# KiCad board gd rev3b.kicad_pcb (continued)
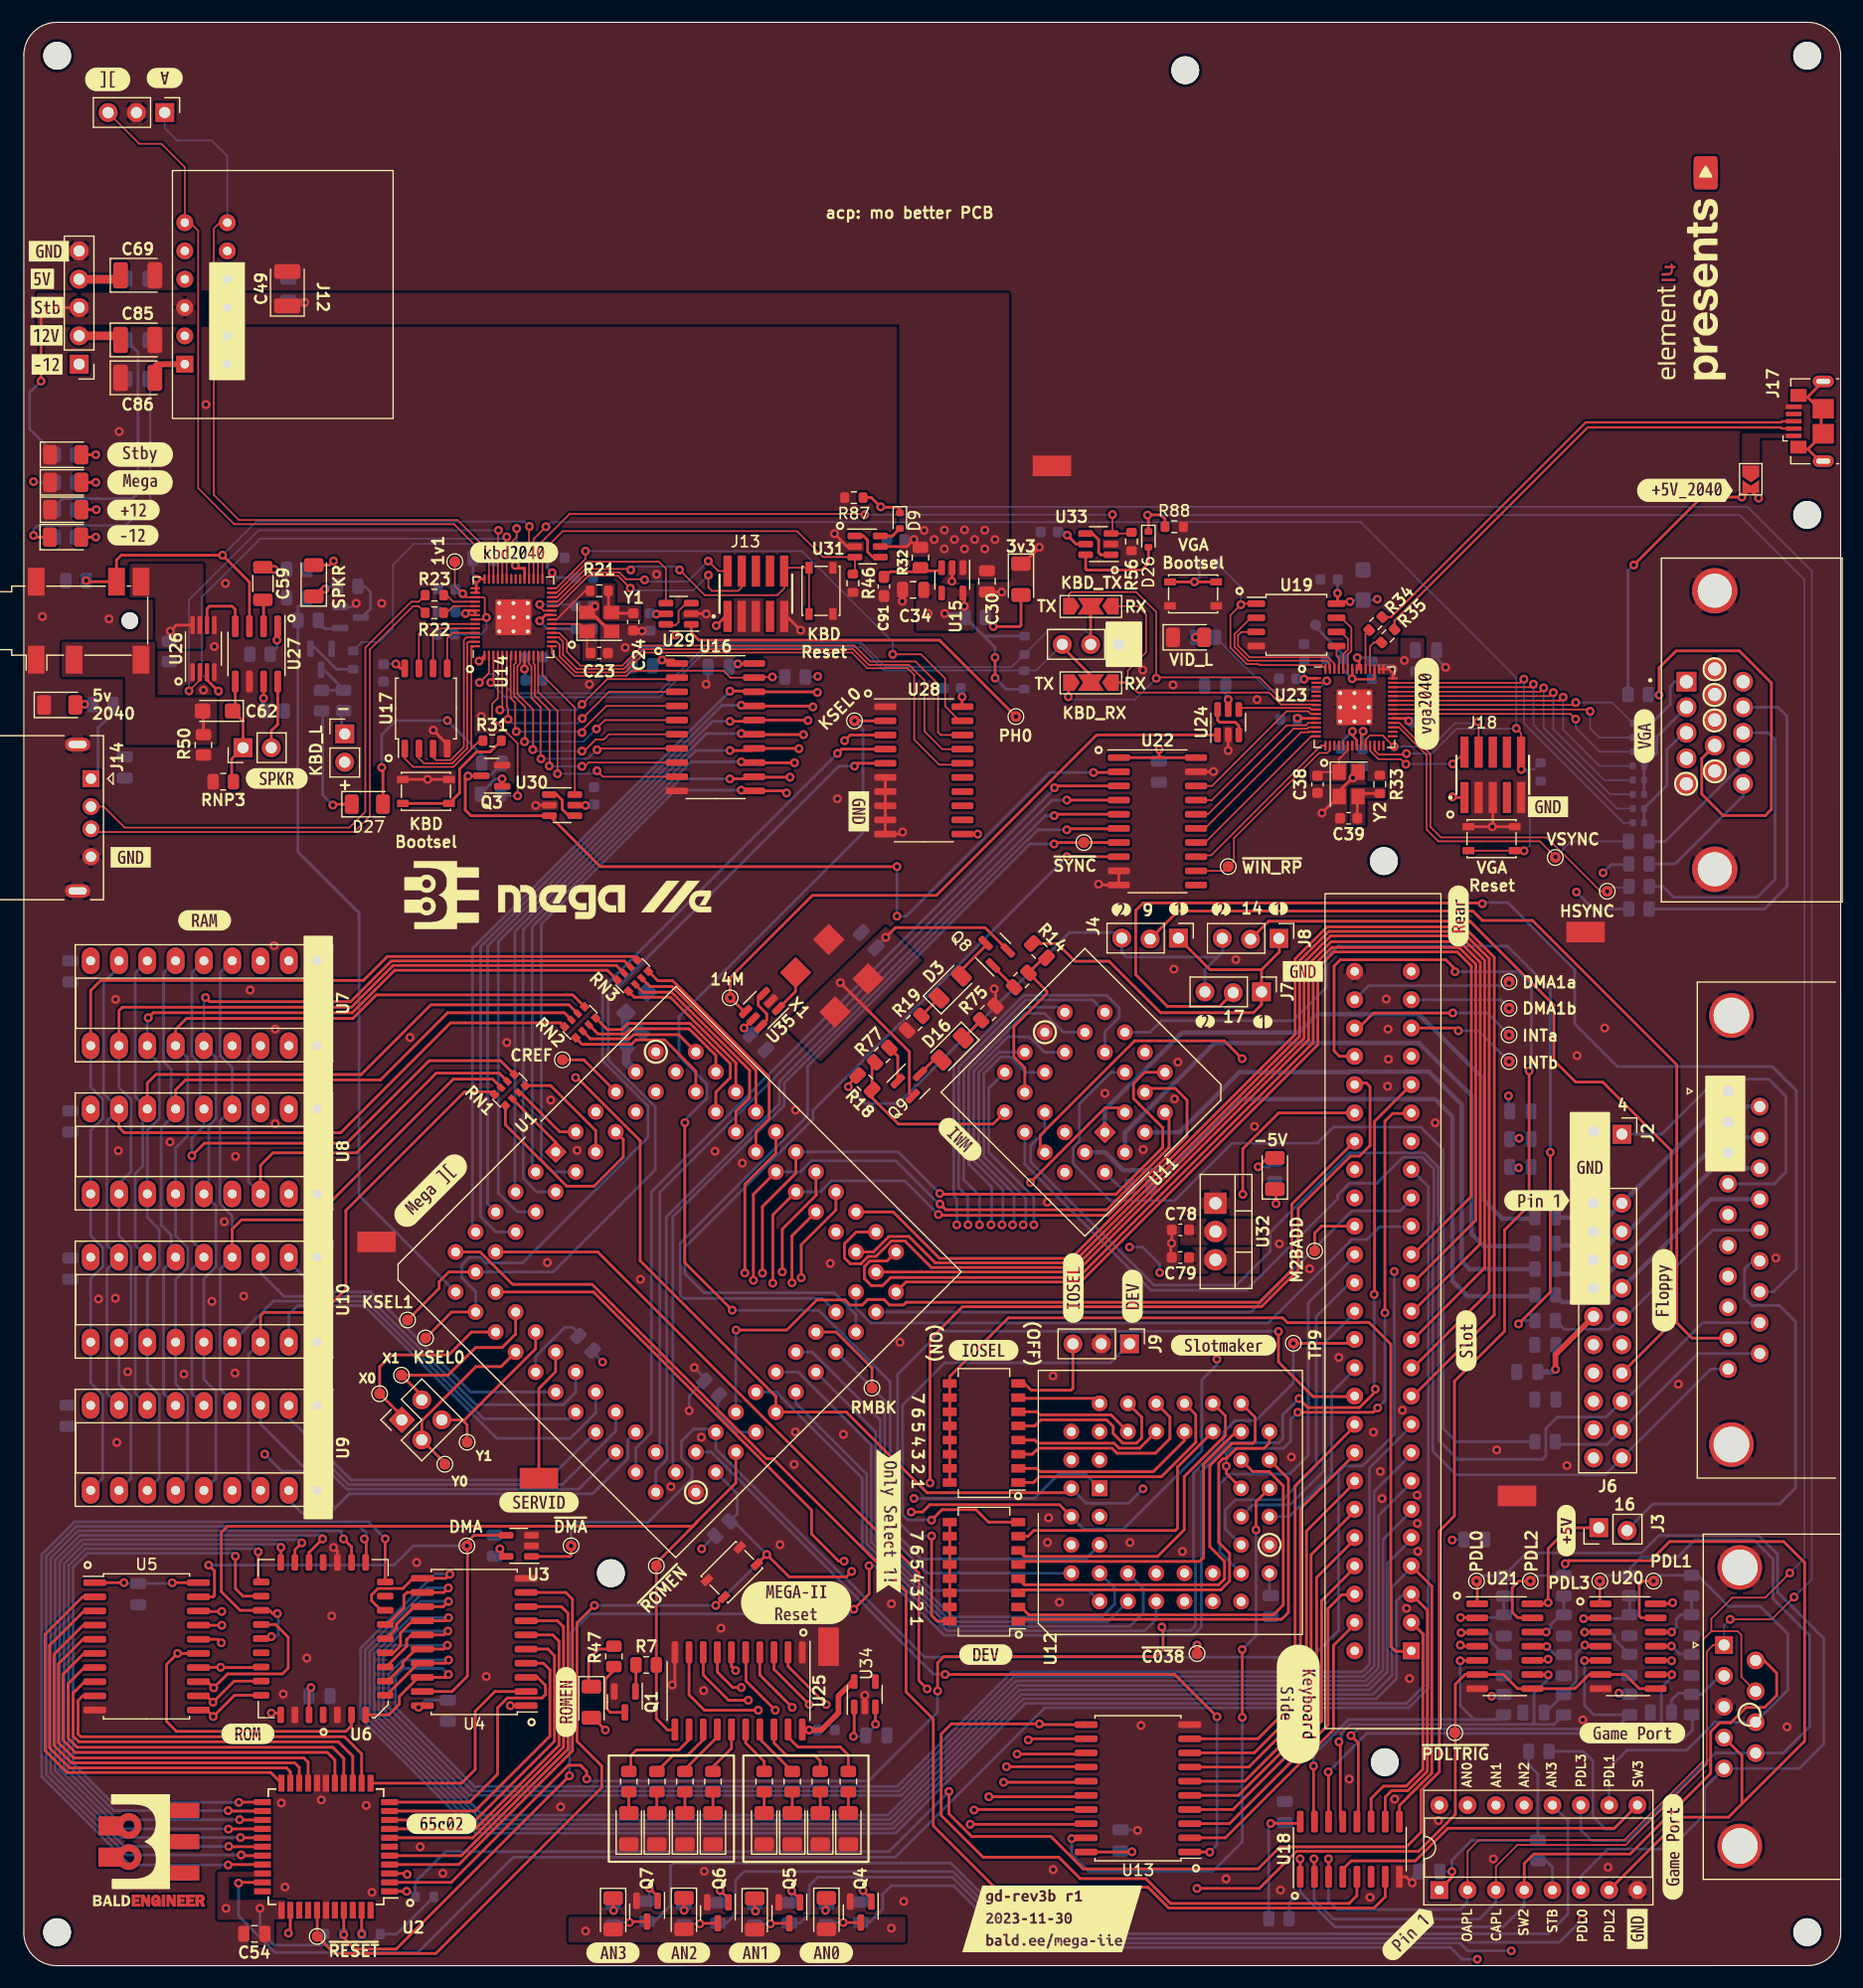
[diagram p0: board, top side]
## Routing (per net, layer and track width the routed paths; a pad name or vN(x,y) marks a point on that pad's centre or on a via; arc(x,y) is an arc through that point) (continued)
/game_port/PDL1: length 46.9
  Top w0.25: U20.13 145.12,31.21 144.94,31.39 144.94,34.17 145.28,34.51 v1(146.23,34.51)
  Bottom w0.25: 150.18,35.02 152.95,32.25 155.78,32.25 158.27,29.76 158.27,24.74 J23.8 151.72,21.85 149.22,19.35 143.86,19.35 142.24,17.73 J11.10 ; R70.1 146.74,35.02 v1(146.23,34.51)
/game_port/PDL2: length 79.2
  Top w0.25: J23.4 154.15,18.86 154.15,14.53 ; J11.7 148.78,13.33 152.95,13.33 154.15,14.53 ; 154.15,14.53 159.78,20.16 159.78,36.18 157.9,38.06 147.66,38.06 145.95,36.35 138.58,36.35 v1(138.3,36.07) ; v1(135.16,34.51) 134.13,34.51 133.55,33.93 133.55,31.71 134.05,31.21 U21.13
  Bottom w0.25: v1(135.16,34.51) 135.65,35 R71.1 138.17,35.94 v1(138.3,36.07)
/game_port/PDL3: length 63.8
  Top w0.25: v1(141.4,34.51) 141.4,32.54
  Bottom w0.25: J11.11 139.7,12.19 140.63,11.25 143.95,11.25 151.78,19.08 J23.9 157.85,19.08 160.22,21.45 160.22,29.65 156.95,32.93 156.95,36.48 155.22,38.2 149.92,38.2 148.36,36.64 145.11,36.64 144.07,35.6 R63.1 141.91,35.02 v1(141.4,34.51)
/game_port/STB: length 3.6
  Bottom w0.25: J11.5 137.16,8.84 136.57,9.42 R20.2
/game_port/SW0_OAPL: length 232.6
  Top w0.152: 151.41,30.01 153.76,30.01 154.1,29.68 154.1,25.91 J23.7 ; 151.41,30.01 150.69,29.29 150.69,18.36 143.6,11.27 130.54,11.27 129.54,10.27 J11.2 ; 151.41,30.01 151.41,31.14 153.3,33.03 156.24,33.03 v1(158.45,35.24)
  Top w0.25: v1(117.06,9.59) 117.07,9.58 117.07,7.98 ; R88.1 102.39,129.81 102.02,130.18 100.85,130.18 v1(100.83,130.16) 100.9,130.08 D26.1
  Bottom w0.152: v1(158.45,35.24) 159.76,36.55 159.76,124.37 153.97,130.16 v1(100.83,130.16)
  Bottom w0.25: 129.46,6.71 129.46,5.59 128.91,5.04 117.86,5.04 117.06,5.84 v1(117.06,9.59)
/game_port/SW1_CAPL: length 252.6
  Top w0.152: J11.3 132.08,8.91 134.01,10.84 143.74,10.84 150.99,18.1 150.99,28.18 151.59,28.78 J23.1 ; v1(153.09,31.08) 156.82,31.08 v1(158.82,33.08)
  Top w0.25: 115.8,7.98 115.8,9.6 ; D9.1 78.6,130.71 78.45,130.86 76.91,130.86 v1(76.88,130.9) 76.05,131.73 R87.1
  Bottom w0.152: J23.1 152.54,30.53 v1(153.09,31.08) ; v1(158.82,33.08) 160.42,34.67 160.42,125.15 154.67,130.9 v1(76.88,130.9)
  Bottom w0.25: J11.3 132.08,5.67 130.6,4.19 117.51,4.19 115.76,5.94 115.76,9.64
  vias: v1(115.76,9.59)
/game_port/SW2: length 68.7
  Top w0.25: 114.53,7.98 114.53,9.52 114.51,9.54 ; J23.6 156.13,27.39 157.27,26.25 157.27,24.25 156.2,23.18 154.52,23.18 153.15,21.8 152.15,21.8 151.35,21 151.35,17.25 144.12,10.03 135.48,10.03 134.62,9.17 J11.4
  Bottom w0.25: 114.51,6.62 113.53,5.64 R92.2 ; 114.51,6.62 114.51,9.54 ; 114.51,6.62 117.64,3.49 132.73,3.49 134.62,5.38 J11.4
  vias: v1(114.51,9.59)
/game_port/SW3: length 43.4
  Top w0.25: 118.34,8.66 119.09,9.41 124.85,9.41 127.78,12.34 142.71,12.34 J11.9
  Bottom w0.25: J11.9 142.64,12.27 141.9,12.27 140.77,13.4 140.77,18.37 139.92,19.23 R93.2
/game_port/~{C060-67}: length 120.9
  Top w0.25: 122.15,7.98 122.15,6.18 121.15,5.18 102.72,5.18 100.86,7.04 87.11,7.04 81.6,12.54 81.6,22.13 79.16,24.57 79.16,33.56 67.24,45.48 66.65,45.48 51,61.14 43.84,61.14 40.94,64.04 U1.11
/game_port/~{PDLTRIG}: length 156.8
  Top w0.25: U1.10 51.5,64.04 80.31,35.24 80.31,25.58 v1(81.05,24.84) ; v1(105.26,6.94) 110.86,6.94 114.19,10.27 125.14,10.27 128.44,13.57 128.44,25.26 129.31,26.13 U21.6 132.76,26.13 134.03,24.86 U21.8 139.16,24.86 140.43,26.13 U20.6 143.68,26.13 144.95,24.86 U20.8
  In1.Cu w0.25: v1(81.05,24.84) 80.95,24.94 80.78,24.94 80.78,14.02 83.96,10.84 88.46,10.84 91.91,7.39 104.81,7.39 v1(105.26,6.94)
/IWM/7M: length 83.6
  In1.Cu w0.25: U12.4 95.26,39.04 97.27,39.04 99.18,40.95 99.18,44.52 100.41,45.75 100.41,51.54 97.79,54.15 97.79,57.89 95.35,60.34 95.35,71.22 93.4,73.16 U11.24 91.47,74.78 90.26,75.99 89.22,75.99 88.56,75.33 87.33,75.33 86.44,76.21 74.41,76.21 72.84,77.79 65.2,77.79 64.52,77.11 63.47,77.11 62.78,77.8 61.32,77.8 60.67,77.15 57.97,77.15 U1.78
/IWM/BA0: length 269.4
  Top w0.25: v1(90.32,70.28) 97.02,76.98 98.39,76.98 ; U6.11 32.06,31.89 31.21,32.74 31.21,33.28 31.77,33.85 34.01,33.85 34.93,34.76 U4.11 ; v1(38.23,35.12) 37.87,34.76 35.75,34.76 ; v1(64.69,62.16) 64.69,70.11 67.48,72.9 U1.66 ; U18.11 120.88,15.01 121.99,16.12 124.02,16.12 125.53,17.62 125.53,29.76 J10.2
  In1.Cu w0.25: U1.66 85.26,74.82 89.8,70.28 v1(90.32,70.28) ; v1(38.23,35.12) 47.98,25.36 49.73,25.36 67.01,42.64 67.01,48.27 64.69,50.59 v1(64.69,62.16)
  Bottom w0.25: v1(38.23,35.12) 36.86,35.12 30.23,28.49 30.23,22.2 40.53,11.9 78.22,11.9 89.86,23.54 124.06,23.54 125.62,25.1 125.62,29.73 124.6,30.75
/IWM/BA1: length 271.9
  Top w0.25: v1(38.09,33.9) 37.69,33.49 U4.12 34.37,33.49 34.1,33.23 34.1,32.11 32.61,30.62 U6.10 ; 102.76,76.2 102.76,73.43 97.16,67.83 82.72,67.83 v1(82.2,68.34) ; U1.65 65.46,69.21 v1(65.46,61.5) ; U18.10 122.15,15.13 122.74,15.72 124.19,15.72 125.93,17.45 125.93,31.9 J10.3
  In1.Cu w0.25: v1(38.09,33.9) 47.03,24.96 49.9,24.96 67.41,42.48 67.41,48.16 68.55,49.3 68.55,50 65.46,53.09 v1(65.46,61.5)
  Bottom w0.25: J10.3 123.77,33.34 123.16,32.73 123.16,25.75 121.34,23.94 89.68,23.94 78.04,12.3 40.69,12.3 30.63,22.36 30.63,28.32 36.2,33.9 v1(38.09,33.9) ; U1.65 69.67,71.23 70.66,72.22 78.24,72.22 82.11,68.34 v1(82.2,68.34)
/IWM/BA2: length 279.1
  Top w0.25: U18.9 123.42,14.37 124.2,15.14 124.2,15.15 126.33,17.29 126.33,34.03 J10.4 ; U6.9 32.5,29.35 33.44,30.29 33.44,30.65 35.01,32.22 U4.13 37.64,32.22 v1(38.1,32.69) ; U1.64 69.27,71.11 66.27,68.11 v1(66.27,62.15) ; v1(82.18,69.29) 82.24,69.23 97.99,69.23 102.19,73.43 102.19,75.19 99.56,77.81 99.56,79.16 100.57,80.17 U11.5
  In1.Cu w0.25: v1(38.1,32.69) 46.23,24.56 50.06,24.56 67.81,42.31 67.81,47.99 69.17,49.35 69.17,50.1 66.27,53 v1(66.27,62.15)
  Bottom w0.25: v1(82.18,69.29) 78.45,73.02 U1.64 ; v1(38.1,32.69) 35.56,32.69 31.04,28.16 31.04,22.52 40.86,12.7 77.87,12.7 89.51,24.34 121.04,24.34 122.76,26.06 122.76,33.98 124.6,35.83
/IWM/BA3: length 251.8
  Top w0.25: v1(38.11,31.23) 37.84,30.95 U4.14 34.88,30.95 33.8,29.87 33.8,28.71 33.16,28.08 U6.8 ; U1.63 67.2,67.36 v1(67.2,61.25) ; 100.94,78.72 103.31,78.72 104.37,77.66 104.37,74.44 97.26,67.33 82.14,67.33 v1(82.06,67.4)
  In1.Cu w0.25: v1(38.11,31.23) 45.18,24.16 50.23,24.16 70.26,44.19 70.26,51.88 67.2,54.94 v1(67.2,61.25)
  Bottom w0.25: v1(38.11,31.23) 34.67,31.23 31.44,28 31.44,22.69 41.03,13.1 77.69,13.1 89.33,24.74 120.71,24.74 122.35,26.38 122.35,36.12 124.6,38.37 ; U1.63 71.47,69.43 72.46,70.42 79.04,70.42 82.06,67.4 v1(82.06,67.4)
/IWM/BA4: length 211.3
  Top w0.25: U1.62 71.07,69.22 71.12,69.17 68.05,66.1 v1(68.05,62.25) ; U6.7 32.5,26.81 34.35,28.66 34.35,29.26 34.77,29.68 U4.15 37.71,29.68 v1(38.05,30.03)
  In1.Cu w0.25: v1(38.05,30.03) 38.05,29.66 40.34,27.38 40.34,23.38 41.27,22.45 49.09,22.45 70.99,44.35 70.99,51.72 68.05,54.66 v1(68.05,62.25)
  Bottom w0.25: v1(38.05,30.03) 34.04,30.03 31.85,27.83 31.85,22.85 41.19,13.5 77.52,13.5 89.17,25.15 120.55,25.15 121.95,26.55 121.95,38.26 124.6,40.91
/IWM/BA5: length 206.6
  Top w0.25: v1(38.01,28.75) 37.67,28.41 U4.16 35.18,28.41 34,27.23 34,26.9 32.64,25.54 U6.6 ; v1(68.92,61.27) 68.92,65.49 U1.61
  In1.Cu w0.25: v1(68.92,61.27) 68.92,57.04 72.15,53.81 72.15,44.94 49.26,22.05 41.11,22.05 39.94,23.22 39.94,23.22 39.63,23.53 39.63,27.13 v1(38.01,28.75)
  Bottom w0.25: 124.6,43.45 121.55,40.39 121.55,26.72 120.38,25.55 89,25.55 78.73,15.28 39.99,15.28 32.25,23.02 32.25,27.67 33.33,28.75 v1(38.01,28.75)
/IWM/BA6: length 207.8
  Top w0.25: v1(69.75,61.73) 69.75,64.69 72.87,67.81 U1.60 ; U6.5 32.53,24.27 35.4,27.14 U4.17 37.83,27.14 v1(38.11,27.43)
  In1.Cu w0.25: v1(38.11,27.43) 39.04,26.5 39.04,23.55 39.53,23.05 39.53,23.05 40.94,21.64 49.42,21.64 72.55,44.77 72.55,53.98 69.75,56.78 v1(69.75,61.73)
  Bottom w0.25: v1(38.11,27.43) 34,27.43 32.75,26.18 32.75,23.18 39.35,16.58 40.25,15.68 78.56,15.68 88.83,25.95 120.22,25.95 121.15,26.88 121.15,42.53 124.6,45.99
/IWM/BA7: length 207.9
  Top w0.25: v1(38.1,26.14) 37.84,25.87 U4.18 35.4,25.87 33.7,24.17 33.7,23.47 32.73,22.51 U6.4
  In1.Cu w0.25: U1.59 70.53,63.5 70.53,58.8 74.67,54.66 74.67,46.17 49.73,21.24 40.77,21.24 38.57,23.45 38.57,25.67 v1(38.1,26.14)
  Bottom w0.25: v1(38.1,26.14) 37.56,26.68 34.05,26.68 33.35,25.98 33.35,23.18 40.44,16.08 78.36,16.08 88.64,26.36 120.05,26.36 120.75,27.05 120.75,31.26 120.75,44.67 124.6,48.53
/IWM/BA8: length 246.1
  Top w0.25: 16.41,22.94 v1(17,22.36) 18.91,24.27 U6.29 ; 124.6,51.07 131.93,58.4 131.93,90.48 129.2,93.21 116.92,93.21 114.06,90.35 114.06,83.56 93.96,63.47 82.17,63.47 78,67.64 U1.58 ; v1(71.99,23.43) 68.58,26.85 U25.2
  In1.Cu w0.25: v1(17,22.36) 21.41,17.95 66.31,17.95 71.8,23.43 v1(71.99,23.43) 72.75,24.2 72.75,36.78 81.37,45.4 81.37,67.88 80.15,69.1 76.13,69.1 U1.58
/IWM/BA9: length 241.2
  Top w0.25: U1.57 76.23,64.04 77.62,65.43 79.42,65.43 81.78,63.07 94.13,63.07 114.46,83.4 114.46,90.18 117.09,92.81 129.04,92.81 131.47,90.37 131.47,60.48 124.6,53.61 ; U6.28 18.87,25.54 v1(16.98,23.64) 16.41,24.21 ; U25.3 67.31,26.6 v1(70.47,23.43)
  In1.Cu w0.25: U1.57 74.66,65.78 76.05,67.17 80.25,67.17 80.86,66.56 80.86,45.76 72.14,37.04 72.14,25.11 v1(70.47,23.43) 65.38,18.35 22.27,18.35 v1(16.98,23.64)
/IWM/BA10: length 244.8
  Top w0.25: U25.4 66.04,26.09 v1(68.94,23.18) ; U6.24 22.58,30.62 23.72,29.48 23.72,26.7 23.21,26.18 18.29,26.18 v1(17.04,24.93) 16.49,25.48 ; U1.56 74.69,65.84 73.63,64.77 73.63,63.51 74.15,62.99 75.11,62.99 75.76,63.64 76.45,63.64 77.85,65.03 79.05,65.03 81.44,62.65 94.28,62.65 114.86,83.23 114.86,90.02 117.25,92.4 128.87,92.4 131.07,90.2 131.07,62.62 124.6,56.15
  In1.Cu w0.25: v1(17.04,24.93) 23.22,18.75 64.52,18.75 v1(68.94,23.18) 71.74,25.97 71.74,37.21 80.13,45.6 80.13,65.13 79.42,65.84 U1.56
/IWM/BA11: length 220.2
  Top w0.25: 76.46,62.25 94.45,62.25 115.27,83.07 115.27,89.85 117.3,91.89 128.82,91.89 130.67,90.04 130.67,64.76 124.6,58.69 ; 64.8,28.09 64.8,25.55 v1(67.42,22.93) ; v1(17.66,26.78) 17.69,26.75 21.25,26.75 ; v1(17.66,26.78) 15.69,26.78 U5.14 ; v1(17.66,26.78) 17.64,26.75
  In1.Cu w0.25: U1.55 77.17,62.96 78.84,62.96 79.55,62.25 79.55,45.73 71.34,37.51 71.34,26.84 v1(67.42,22.93) 63.67,19.18 24.25,19.18 18.37,25.05 18.37,26.35 17.95,26.78 v1(17.66,26.78)
/IWM/BA12: length 245.9
  Top w0.25: U5.15 v1(13.8,28.02) 12.81,27.03 12.81,21.91 13.7,21.03 28.9,21.03 29.4,21.53 U6.3 ; 124.6,61.23 130.27,66.89 130.27,89.87 128.77,91.37 117.35,91.37 115.68,89.69 115.68,82.82 94.61,61.75 77.78,61.75 77.05,61.02 76.04,61.02 75.42,61.65 75.42,62.73 75.93,63.24 77.45,63.24 U1.54 ; v1(63.86,26.48) 63.5,26.85 U25.6
  In1.Cu w0.25: v1(13.8,28.02) 13.8,31.11 16.26,33.57 27.88,33.57 40.66,20.79 50.74,20.79 56.44,26.48 v1(63.86,26.48) 68.85,31.46 68.85,39.08 75.26,45.5 75.26,54.63 71.29,58.6 71.29,59.12 76.22,64.04 U1.54
/IWM/BA13: length 220.4
  Top w0.25: U25.7 62.23,26.34 63.61,24.96 v1(64.37,24.96) ; v1(17.72,28.98) 17.41,29.29 U5.16 ; U1.53 79.15,61.35 94.82,61.35 116.11,82.64 116.11,89.53 117.54,90.96 128.61,90.96 129.87,89.7 129.87,69.03 124.6,63.77 ; v1(22.21,22.67) 22.89,22.67
  In1.Cu w0.25: v1(22.21,22.67) 22.21,22.68 19.41,25.48 19.41,27.24 17.72,28.94 v1(17.72,28.98) 16.6,28.98 15.9,29.68 15.9,32.64 16.43,33.17 27.71,33.17 40.5,20.38 59.8,20.38 v1(64.37,24.96) 69.35,29.93 69.35,38.46 75.73,44.84 75.73,57.42 73.31,59.84 73.31,60.54 74.22,61.45 75.29,61.45 76.29,60.45 U1.53
/IWM/BA14: length 165.5
  Top w0.25: U25.8 60.96,26.09 63.23,23.82 v1(65.01,23.82) ; U5.17 15.68,30.55 v1(17.77,30.55) 17.76,30.56
  In1.Cu w0.25: U1.52 74.66,59.05 76.8,56.92 76.8,45 69.96,38.17 69.96,28.77 v1(65.01,23.82) 61.17,19.98 40.27,19.98 27.73,32.52 16.68,32.52 16.46,32.3 16.46,30.73 16.64,30.55 v1(17.77,30.55)
  Bottom w0.25: 124.6,66.31 121.67,66.31 120.52,65.16 119.14,65.16 111.65,57.67 76,57.67 74.66,59 U1.52
/IWM/BA15: length 160.7
  Top w0.25: v1(65.9,22.93) 61.07,22.93 59.69,24.31 U25.9 ; U5.18 15.71,31.79 v1(17.76,31.79) 17.72,31.83
  In1.Cu w0.25: v1(17.76,31.79) 29.97,19.58 62.55,19.58 v1(65.9,22.93) 70.94,27.97 70.94,38.04 77.54,44.64 77.54,57.58 U1.51
  Bottom w0.25: 124.6,68.85 123.48,67.72 119.16,67.72 110.1,58.66 U1.51
/IWM/bEN1: length 39.2
  Top w0.25: 111.05,89.37 112.65,90.97 112.65,92.71 ; 111.05,89.37 106.43,89.37 J4.1 ; 111.05,89.37 J7.1 111.05,86.24 110.32,85.51 101.99,85.51 97.37,90.13 94.31,90.13 92.72,91.72 R14.1
/IWM/bEN2: length 49.4
  Top w0.25: v1(73.97,78.87) 73.97,79.03 R18.1
  Bottom w0.25: 107.11,90.51 98.92,90.51 98.52,90.91 98.52,92.71 93.82,92.71 78.47,77.36 75.48,77.36 v1(73.97,78.87) ; J7.3 105.97,89.37 107.57,90.97 107.57,92.71
/IWM/bWDATA: length 21.5
  Bottom w0.25: 137.65,46.78 142.06,46.78 J6.18 150.21,54.93 J5.19
/IWM/bWREQ: length 21.9
  Bottom w0.25: J6.10 142.23,57.11 138.18,57.11 R15.1 ; J5.15 151.53,66.01 143.78,58.26
/IWM/DB19-4: length 29.8
  Bottom w0.25: J5.4 157.05,70.16 158.11,71.22 158.11,78.01 156.57,79.55 151.9,79.55 146.96,74.61 J2.1
/IWM/DB19-16: length 41.3
  Bottom w0.25: 143.39,38.65 146.16,41.43 157.53,41.43 158.96,42.86 158.96,57.79 157.51,59.24 155.04,59.24 154.39,59.89 154.39,62.52 155.11,63.24
/IWM/EN1: length 14.9
  Top w0.25: 91.48,90.43 R76.1 91.78,87.45 91.78,87.21 88.82,84.25 88.82,81.55 89.81,80.56 U11.20
/IWM/EN2: length 16.2
  Top w0.25: 76.11,80.8 R18.2 76.11,77.88 78.47,75.52 86.96,75.52 U11.19
/IWM/MD0: length 447.9
  Top w0.25: 94.89,12.74 94.84,12.69 v1(84.91,12.69) ; v1(63.36,114.37) 65.46,114.37 ; v1(71.21,114.24) 71.15,114.3 65.52,114.3 ; U2.30 18.38,9.08 v1(18.34,9.03) ; v1(32.42,38.31) 32.42,34.43
  In1.Cu w0.25: 5.39,41.01 6.28,41.01 ; 5.39,41.01 5.39,41 4.46,41 4.45,41.01 4.17,41.01 3.75,41.43 3.75,65.4 4.33,65.98 20.51,65.98 U8.17 ; 5.39,41.01 5.59,41.01 ; 23.78,69.65 26.23,72.1 30.44,72.1 50.68,92.34 63.09,92.34 72.08,101.33 72.08,113.37 v1(71.21,114.24) ; 6.28,41.01 6.65,41.01 6.99,41.01 7,41 8,41 8.06,41.04 8.36,41 30.78,41 32.44,39.34 32.42,39.32 v1(32.42,38.31) ; 6.28,41.01 6.28,41.01 6.47,41.01 ; v1(84.91,12.69) 83.68,13.92 83.68,66.45 v1(83.7,66.47) 83.7,70.38 83.37,70.72 76.28,70.72 70.17,64.61 43.58,64.61 42.35,65.84 U1.9
  Bottom w0.25: v1(83.7,66.47) 83.7,68.82 83.43,69.09 83.43,80.78 89.72,87.07 97.16,87.07 98.28,85.95 98.28,85.09 97,83.81 U11.10 ; v1(18.34,9.03) 9.55,9.03 1.61,16.97 1.61,36.89 4.54,39.82 30.91,39.82 v1(32.42,38.31) ; v1(63.36,114.37) 40.26,91.27 40.26,66.12
/IWM/MD1: length 429.6
  Top w0.25: 30.72,36.23 30.72,38.11 30.55,38.28 v1(30.55,38.3) ; v1(70.8,112.95) 70.73,113.02 65.53,113.02 ; v1(85.26,13.97) 85.31,14.01 U13.17 ; 64.12,113.1 65.46,113.1 ; v1(19.5,9.93) 19.56,9.88 U2.29
  In1.Cu w0.25: U1.8 70.74,65.84 76.02,71.12 83.89,71.12 84.71,70.3 v1(84.71,66.47) 84.71,14.52 v1(85.26,13.97) ; v1(30.55,38.3) 30.55,38.74 28.74,40.56 4.06,40.56 3.35,41.26 3.35,65.57 4.38,66.6 16.05,66.6 U8.15 ; 18.7,69.65 22.21,73.16 30.94,73.16 50.52,92.74 62.92,92.74 71.67,101.49 71.67,112.08 v1(70.8,112.95)
  Bottom w0.25: v1(84.71,66.47) 84.68,66.5 84.68,69 83.88,69.8 83.88,80.63 89.92,86.67 95.88,86.67 U11.11 ; v1(19.5,9.93) 9.22,9.93 2.01,17.14 2.01,36.73 4.71,39.42 30.13,39.42 30.71,38.84 30.71,38.45 v1(30.55,38.3) ; 64.12,113.1 62.66,113.1 40.99,91.43 40.99,67.21 42.35,65.84 U1.8
  vias: v1(64.37,113.1)
/IWM/MD2: length 427.2
  Top w0.25: v1(63.36,111.66) 65.42,111.66 ; U16.16 70.33,111.76 v1(70.36,111.73) ; U2.28 18.42,10.68 v1(18.39,10.7) ; v1(86.58,15.16) 95.08,15.16 95.21,15.28 ; U6.15 29.4,37.58 v1(28.68,38.3)
  In1.Cu w0.25: U1.7 44.23,67.64 45.49,66.38 68.32,66.38 74.03,72.08 83.8,72.08 85.75,70.14 v1(85.75,66.47) 85.75,15.99 v1(86.58,15.16) ; v1(28.68,38.3) 28.43,38.3 26.62,40.1 3.94,40.1 2.94,41.1 2.94,77.29 4.75,79.1 19.01,79.1 U8.3 ; v1(70.36,111.73) 71.27,110.82 71.27,101.66 62.76,93.14 50.35,93.14 30.84,73.63 22.2,73.63 21.24,74.58 21.24,76.47
  Bottom w0.25: U11.12 92.96,86 89.82,86 84.33,80.51 84.33,70.53 85.75,69.11 v1(85.75,66.47) ; v1(18.39,10.7) 9.02,10.7 2.41,17.31 2.41,36.56 4.87,39.02 28.51,39.02 28.51,38.47 v1(28.68,38.3) ; U1.7 41.62,68.35 41.62,91.5 61.78,111.66 v1(63.36,111.66)
/IWM/MD3: length 415.3
  Top w0.25: v1(19.44,11.5) 19.47,11.48 U2.27 ; 94.97,16.55 94.87,16.46 v1(87.91,16.46) ; v1(69.95,110.46) 65.55,110.46 ; U6.18 25.59,37.08 v1(26.81,38.3)
  In1.Cu w0.25: U1.6 68.94,67.64 73.85,72.55 84,72.55 86.78,69.77 v1(86.78,66.47) 86.78,17.54 87.86,16.46 v1(87.91,16.46) ; v1(69.95,110.46) 70.87,109.55 70.87,101.83 62.59,93.55 50.19,93.55 30.67,74.03 26.22,74.03 23.78,76.47 ; U8.2 21,79.65 4.73,79.65 2.54,77.46 2.54,40.94 3.78,39.7 25.23,39.7 26.84,38.09
  Bottom w0.25: U1.6 44.28,67.64 42.58,69.34 42.58,91.88 61.25,110.56 v1(64.37,110.56) ; U11.13 93.26,83.76 91.57,85.45 89.84,85.45 84.78,80.39 84.78,71.93 86.83,69.88 86.83,66.39 ; v1(19.44,11.5) 8.79,11.5 2.82,17.47 2.82,36.4 5.04,38.62 26.81,38.62 v1(26.81,38.3)
/IWM/MD4: length 396.6
  Top w0.25: v1(69.55,109.2) 69.53,109.22 U16.14 65.33,109.03 v1(63.36,109.03) ; v1(24.94,37.94) 24.32,37.32 U6.19 ; U2.26 18.38,12.28 v1(18.36,12.25) ; v1(88.16,17.86) 94.31,17.86 94.35,17.82
  In1.Cu w0.25: 23.78,82.95 27.27,86.44 37.76,86.44 45.27,93.95 62.42,93.95 70.47,101.99 70.47,108.29 v1(69.55,109.2) ; U1.5 45.98,69.43 47.29,68.12 66.47,68.12 71.3,72.95 84.2,72.95 87.76,69.38 v1(87.76,66.47) 87.76,66.47 87.76,18.26 v1(88.16,17.86) ; 24.96,37.77 23.43,39.3 3.61,39.3 2.14,40.77 2.14,77.62 4.61,80.1 21.33,80.1 U7.17
  Bottom w0.25: 44.07,69.49 44.07,92.8 60.3,109.03 v1(63.36,109.03) ; v1(18.36,12.25) 18.33,12.28 8.57,12.28 3.22,17.64 3.22,36.23 5.21,38.22 24.67,38.22 v1(24.94,37.94) ; U11.15 91.58,81.96 90.19,83.35 88.31,83.35 85.23,80.27 85.23,72.25 87.84,69.64 87.84,66.39
/IWM/MD5: length 378.7
  Top w0.25: v1(23.07,37.54) 23.05,37.52 U6.20 ; v1(19.36,13.1) 19.39,13.08 U2.25 ; v1(69.15,107.93) 65.54,107.93 ; 94.48,19.09 94.38,18.99 v1(89.12,18.99)
  In1.Cu w0.25: v1(69.15,107.93) 70.04,107.05 70.04,102.13 62.26,94.35 45.1,94.35 37.59,86.84 22.21,86.84 18.72,83.35 ; U1.4 67.15,69.43 71.07,73.35 84.36,73.35 88.72,69 v1(88.72,66.47) 88.84,66.35 88.84,19.27 v1(89.12,18.99) ; U7.15 16.7,80.55 4.49,80.55 1.74,77.79 1.74,77.53 1.74,42.89 1.74,40.6 3.44,38.9 21.78,38.9 23.09,37.59
  Bottom w0.25: U11.16 87.49,81.96 85.68,80.15 85.68,72.44 88.29,69.83 88.29,69.82 88.84,69.26 88.84,66.45 ; v1(23.07,37.54) 22.8,37.81 5.37,37.81 3.62,36.06 3.62,17.81 8.32,13.1 v1(19.36,13.1) ; U1.4 46.02,69.43 44.81,70.65 44.81,92.98 59.85,108.02 v1(64.37,108.02)
/IWM/MD6: length 384.4
  Top w0.25: v1(63.36,106.49) 65.33,106.49 65.52,106.68 ; v1(68.75,106.64) 65.56,106.64 ; U13.12 90.23,20.36 v1(90.13,20.26) ; U2.24 18.38,13.88 v1(18.34,13.91) ; v1(21.03,37.14) 21.03,34.7 U6.21
  In1.Cu w0.25: U1.3 47.72,71.23 48.95,70 64.84,70 68.85,74.02 84.27,74.02 89.67,68.62 v1(89.67,66.47) 89.87,66.27 89.87,20.51 v1(90.13,20.26) ; v1(21.03,37.14) 20.99,37.14 19.64,38.49 3.28,38.49 1.33,40.44 1.33,87.98 5.91,92.56 18.97,92.56 21.33,90.2 ; 21.24,89.77 21.24,88.2 22.19,87.26 37.44,87.26 44.93,94.75 62.03,94.75 69.54,102.26 69.54,105.85 v1(68.75,106.64)
  Bottom w0.25: v1(63.36,106.49) 58.89,106.49 45.62,93.22 45.62,71.54 ; v1(18.34,13.91) 8.08,13.91 4.02,17.97 4.02,35.9 5.54,37.41 20.76,37.41 v1(21.03,37.14) ; U11.17 89.88,80.17 88.5,81.55 87.64,81.55 86.13,80.03 86.13,72.62 89.89,68.86 89.89,66.45
/IWM/MD7: length 429.5
  Top w0.25: U2.23 19.32,14.68 v1(19.3,14.65) ; U16.11 68.25,105.41 v1(68.44,105.22) ; 95.39,21.63 95.24,21.79 95.05,21.79 94.9,21.63 91.18,21.63 v1(91.12,21.7) 83.22,21.7 82.31,20.79 82.31,13.49 86.06,9.74 92.86,9.74 94.78,7.82 100.67,7.82 102.9,5.59 118.91,5.59 119.61,6.29 119.61,7.98 ; v1(64.37,105.48) 65.46,105.48 ; U6.22 19.67,33.16 18.99,33.84 v1(18.99,36.74)
  In1.Cu w0.25: 23.8,90.17 26.27,87.7 37.31,87.7 44.77,95.15 61.86,95.15 68.88,102.17 68.88,104.78 v1(68.44,105.22) ; v1(91.12,21.7) 90.91,21.91 90.91,42.81 90.9,42.82 90.9,66.2 v1(90.62,66.47) 90.62,68.25 84.46,74.42 68.69,74.42 65.5,71.23 U1.2 ; 23.78,90.24 23.78,91.63 22.4,93.01 5.79,93.01 0.93,88.15 0.93,40.27 3.11,38.09 18.19,38.09 18.99,37.29 v1(18.99,36.74)
  Bottom w0.25: v1(18.99,36.74) 18.71,37.01 5.71,37.01 4.42,35.73 4.42,18.14 7.91,14.65 v1(19.3,14.65) ; v1(90.62,66.47) 90.62,68.94 86.58,72.98 86.58,78.73 U11.18 ; U1.2 47.52,71.23 46.44,72.3 46.44,93.47 58.45,105.48 v1(64.37,105.48)
/IWM/PHa: length 58
  Bottom w0.4: U11.1 97,76.79 97.29,77.08 97.29,77.09 103.93,83.73 114.38,83.73 116.03,85.37 125.17,85.37 131.03,79.52 131.03,68.68 132.67,67.04 135.49,67.04
/IWM/PHb: length 56.5
  Bottom w0.4: 135.34,64.58 130.98,64.58 129.89,65.67 129.89,78.09 125.18,82.8 106.84,82.8 98.79,74.75 U11.28
/IWM/PHc: length 52.8
  Bottom w0.4: 135.57,62.5 129.72,62.5 129.01,63.21 129.01,77.28 126.06,80.22 118.92,80.22 118.88,80.18 109.08,80.18 103.68,74.78 U11.2
/IWM/PHd: length 59.5
  Bottom w0.4: U11.27 97.03,72.98 98.63,71.38 102.86,71.38 109.24,77.75 126.62,77.75 128.18,76.2 128.18,61.43 129.53,60.08 135.46,60.08
/IWM/Q3: length 74.8
  In1.Cu w0.25: U1.80 59.92,76.62 61.11,75.43 63.1,75.43 63.48,75.81 65.09,75.81 65.67,75.23 66.49,75.23 67.07,75.81 86.28,75.81 90.9,71.18 U11.25 93.4,60.18 95.4,58.19 95.4,53.78 95.45,53.78 97.82,51.41 97.82,41.59 U12.3
/IWM/RDATA: length 112.9
  Bottom w0.25: U11.22 91.61,74.85 90.34,73.58 90.34,72.12 101.39,61.07 108.81,61.07 111.83,64.09 111.83,65.83 118.94,72.94 125.63,72.94 126.91,71.66 126.91,67.33 126.96,67.28 126.96,47.13 128.66,45.44 136.26,45.44 136.56,45.74 136.56,48.2 137.58,49.22 141.96,49.22 J6.16 ; J5.18 150.65,57.7 143.59,50.64
/IWM/seek0: length 22.5
  Bottom w0.4: J5.11 152.05,77.09 J6.2 142.09,67.13 137.41,67.13
/IWM/seek1: length 21.6
  Bottom w0.4: J5.12 152.4,74.32 143.96,65.88 ; 137.6,64.62 142.12,64.62 J6.4
/IWM/seek2: length 22.4
  Bottom w0.4: R16.1 137.83,62.08 142.12,62.08 J6.6 151.59,71.55 J5.13
/IWM/seek3: length 22.4
  Bottom w0.4: R12.1 138.06,59.54 142.12,59.54 J6.8 151.36,68.78 J5.14
/IWM/SENSE: length 106.5
  Bottom w0.25: J5.10 151.36,53.54 J6.20 141.88,44.06 128.51,44.06 126.42,46.14 126.42,66.64 126.51,66.73 126.51,71.5 125.47,72.54 123.73,72.54 121.4,70.21 118.95,70.21 117.88,69.14 117.88,68.81 109.68,60.61 101.12,60.61 89.81,71.92 U11.21
/IWM/WDATA: length 82.6
  Bottom w0.25: R11.2 128.52,47.02 127.36,48.18 127.36,67.45 127.34,67.47 127.34,73.23 125.32,75.25 117.49,75.25 116.04,73.8 108.38,73.8 103.23,68.65 97.46,68.65 94.16,71.95 94.16,73.41 94.71,73.96 94.71,77.34 97.54,80.17 98.62,80.17
/IWM/WREQ: length 77.3
  Top w0.25: v1(136.96,72.99) 136.96,60.44 v1(134.11,57.59)
  Bottom w0.25: v1(136.96,72.99) 136.96,87.64 133.11,91.49 117.91,91.49 116.86,90.44 116.86,87.79 113.86,84.79 102.06,84.79 101.03,83.76 U11.9 ; R15.2 134.4,57.88 v1(134.11,57.59)
/IWM/~{INTDEV6}: length 58.4
  In1.Cu w0.25: v1(101.91,62.19) 105.64,58.45 105.64,46.87 101.6,42.83 U12.12 ; U11.7 104.13,81.96 105.36,80.74 105.36,76.19 99.21,70.04 v1(99.21,64.48)
  Bottom w0.25: v1(101.91,62.19) 101.91,62.95 100.38,64.48 v1(99.21,64.48)
/IWM/~{RESET}: length 321.8
  Top w0.25: U22.2 98.18,107.06 v1(95.98,107.06) ; v1(51.2,32.32) 49.63,30.76 49.63,20.14 51.86,17.92 51.86,15.99 36.97,1.1 27.86,1.1 TP25.1 26.33,4.96 ; v1(109.37,69.22) 109.37,73.3 112.59,76.52 J10.31 ; v1(62.09,32.32) 62.09,32.35 SW1.2 ; v1(78.34,98.62) 51.73,98.62 U30.3 40.12,103.18 39.61,103.7 39.61,106.49 v1(39.86,106.75) 41.02,106.75 ; v1(109.31,81.39) 107.71,82.99 99.67,82.99 91.2,74.52 91.2,73.39 ; SW1.2 66.64,36.9 v1(66.66,36.9) 68.66,34.89 73.8,34.89 v1(74.28,35.37) ; v1(79.61,40.71) 80.63,40.71 81.28,41.36 92.92,41.36 U12.2
  In1.Cu w0.25: v1(74.28,35.37) 74.28,35.75 79.23,40.71 v1(79.61,40.71) ; v1(107.04,54.42) 111.42,58.79 111.42,67.17 v1(109.37,69.22) ; J10.31 112.04,76.52 112.01,76.49 109.31,79.19 v1(109.31,81.39) 109.31,81.5 102.22,88.59 83.93,88.59 v1(78.34,94.17)
  Bottom w0.25: R53.1 41.76,106.75 v1(39.86,106.75) ; 63.69,39.86 v1(66.66,36.9) v1(62.09,32.32) v1(51.2,32.32) ; U12.2 95.1,39.18 98.66,39.18 105.69,46.21 105.69,52.56 107.04,53.91 v1(107.04,54.42) ; v1(78.34,98.62) v1(78.34,94.17) 79.17,94.17 92.06,107.06 v1(95.98,107.06) ; U1.35 64.01,42.37 64.01,40.55 R4.2
/KBD_RX_SCL: length 62.4
  Top w0.152: U14.3 42.13,115.24 42.02,115.13 v1(41.89,115.13)
  Top w0.25: 93.18,118.33 95.74,115.76 JP2.2
  Bottom w0.152: J21.3 90.84,116.22 77.2,116.22 75.12,118.3 61.5,118.3 57.01,113.81 43.21,113.81 v1(41.89,115.13)
/KBD_TX_SDA: length 67.3
  Top w0.152: v1(40.88,115.13) 41.73,115.99 U14.2
  Top w0.25: J21.2 95.72,121.96
  Bottom w0.152: J21.2 95.72,119.34 95.11,119.95 92.06,119.95 88.63,116.53 77.33,116.53 75.17,118.68 61.41,118.68 56.89,114.16 43.88,114.16 42.15,115.89 41.64,115.89 v1(40.88,115.13)
/mega-6502/14M: length 67.1
  Top w0.25: TP21.1 63.38,88.66 70.76,96.04 81.88,96.04 90.25,104.41 90.25,104.43 96.26,110.44 U24.1 ; 64.62,85.62 v1(63.39,86.86)
  In1.Cu w0.25: v1(63.39,86.86) 59.78,86.86 58.5,85.58 U1.76
/mega-6502/14M_Prime: length 3.9
  Top w0.25: X1.3 69.25,87.42 U35.1
/mega-6502/A0: length 38.7
  Top w0.25: U2.4 39.03,9.08 49.23,19.28 49.23,32.89 48.62,33.49 U4.9
/mega-6502/A1: length 36.5
  Top w0.25: 48.46,31.99 48.23,32.23 ; 48.46,31.99 48.23,32.22 U4.8 ; 48.46,31.99 48.83,31.63 48.83,19.45 39.26,9.88 U2.5
/mega-6502/A2: length 33.4
  Top w0.25: U2.7 40.29,11.48 48.42,19.61 48.42,30.41 47.88,30.95 U4.7
